# Altium PCB MailboxSensorV2.PcbDoc (part 1 of 2)
Units mil, origin at the board's own origin, x right, y up, seen from the top; angles counter-clockwise.
Board outline 1800 x 1800 mil, 4 copper layers (L1 (SIG-1), L2 (GND-1), L3 (GND-2), L4 (SIG-2)), stack 62.449 mil thick; 65 components, 47 nets, 251 pads, 71 vias.
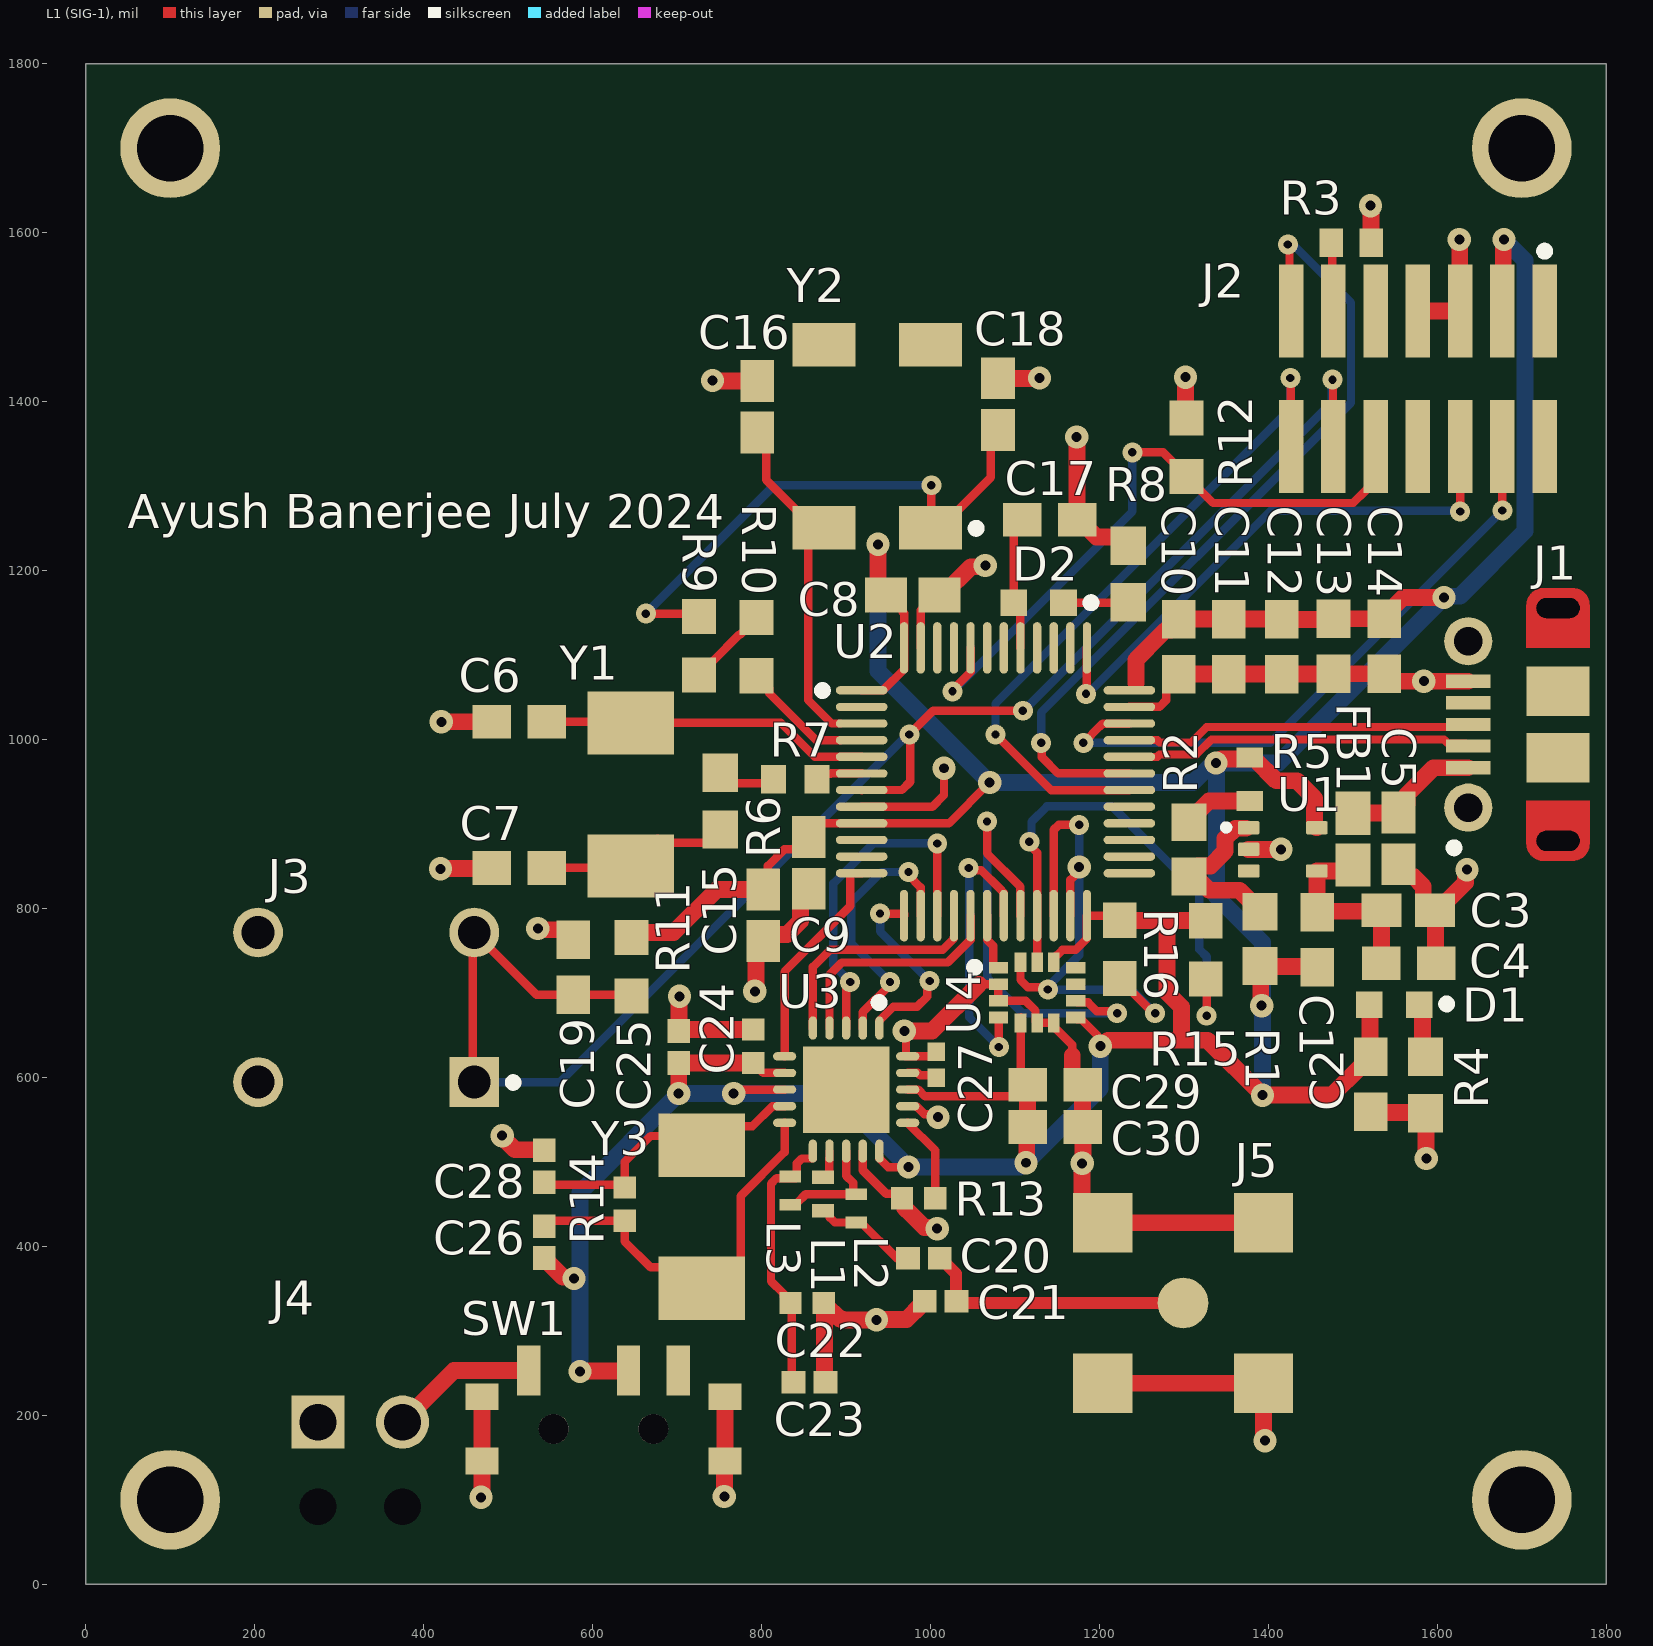
[diagram p0: L1 (SIG-1) view]
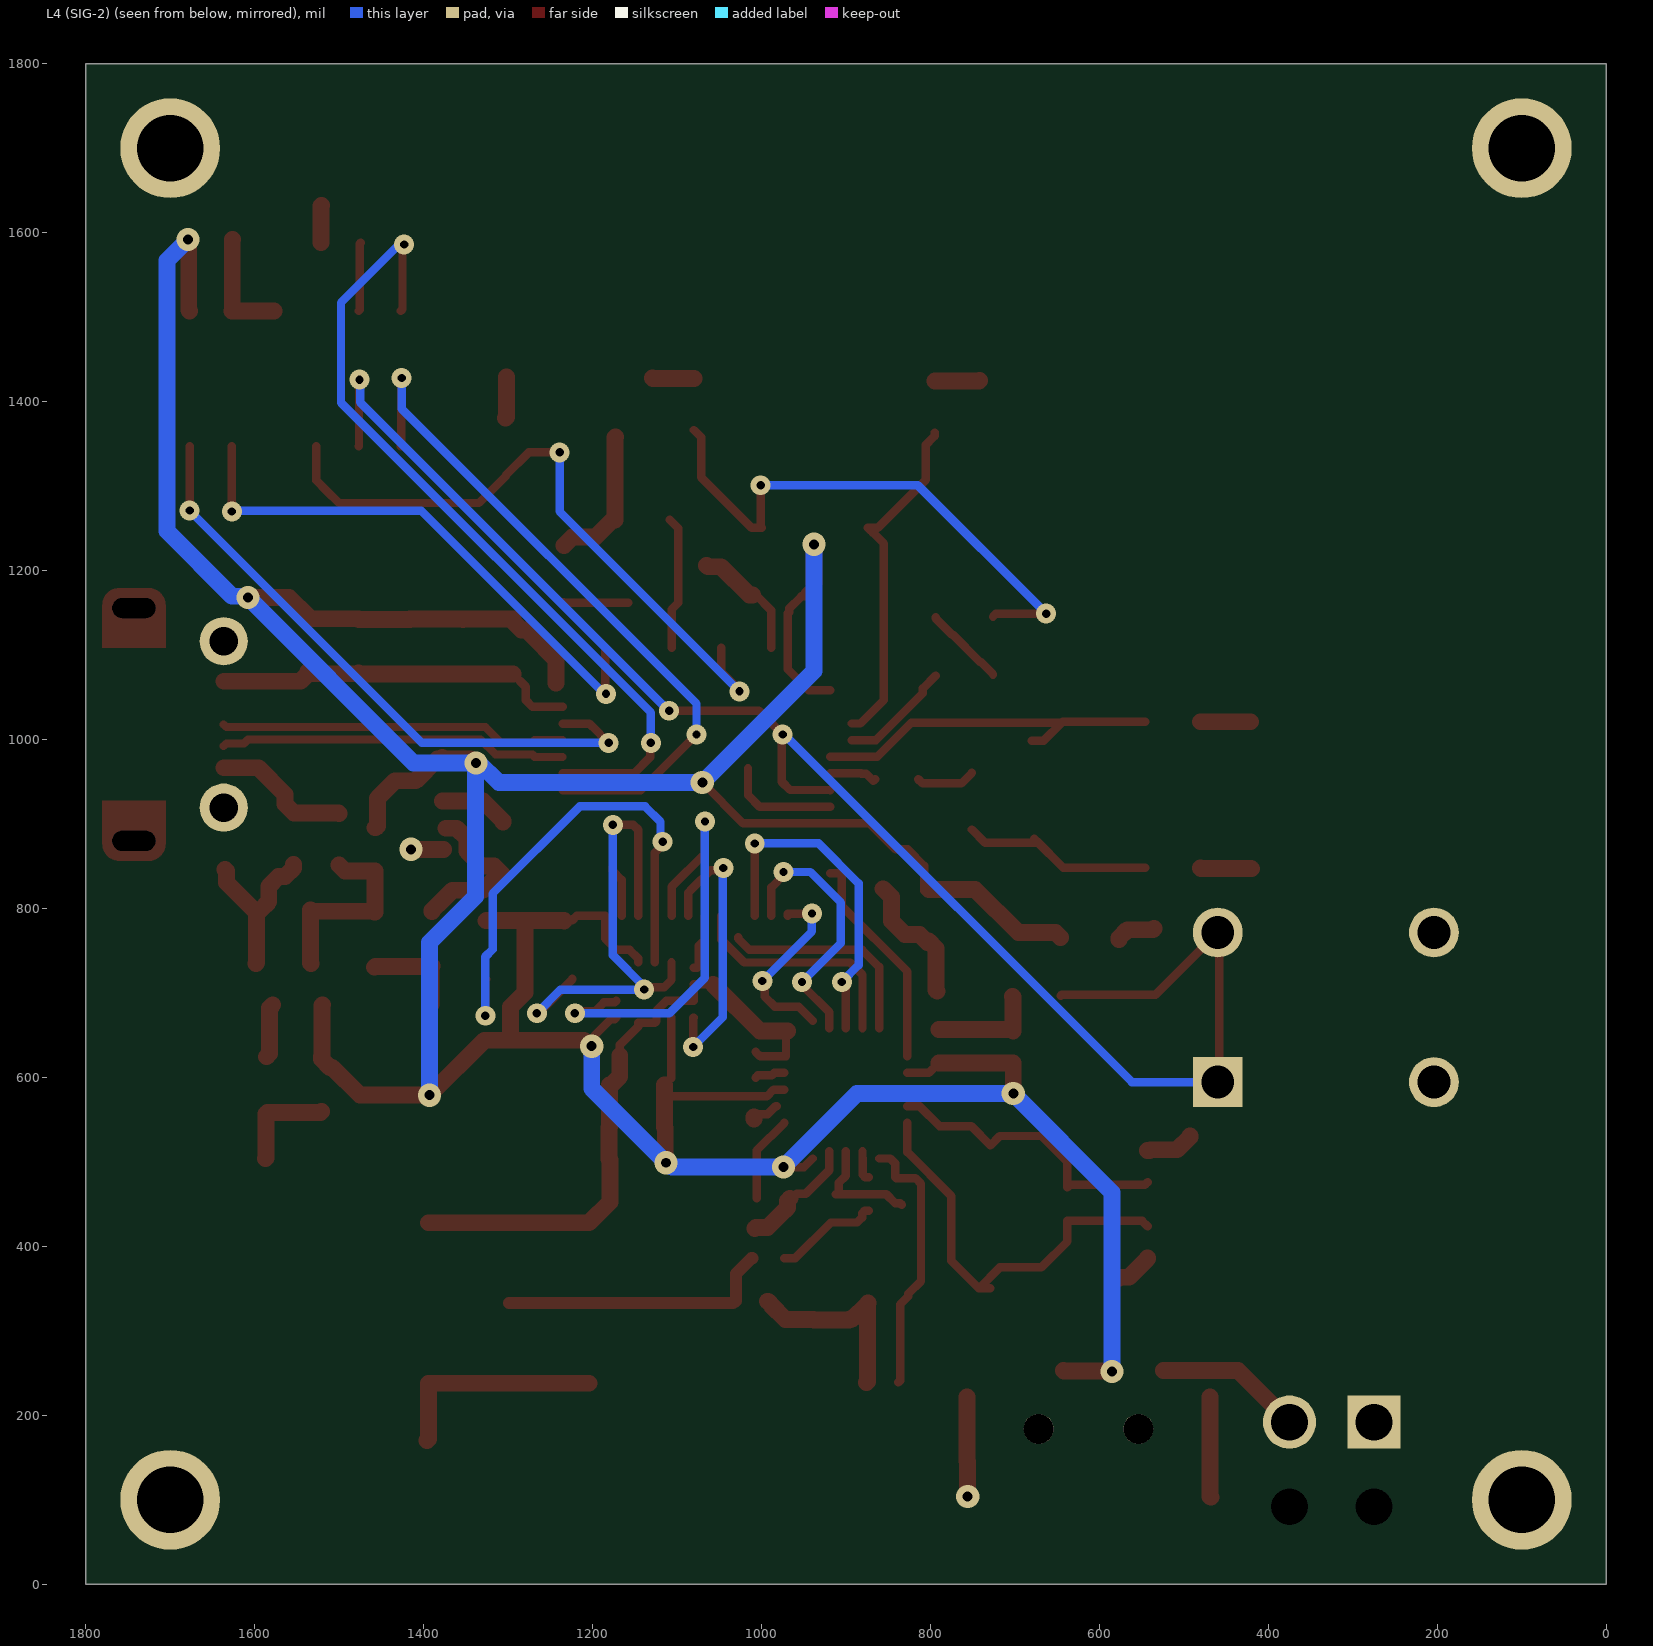
[diagram p1: L4 (SIG-2) view, seen from below]
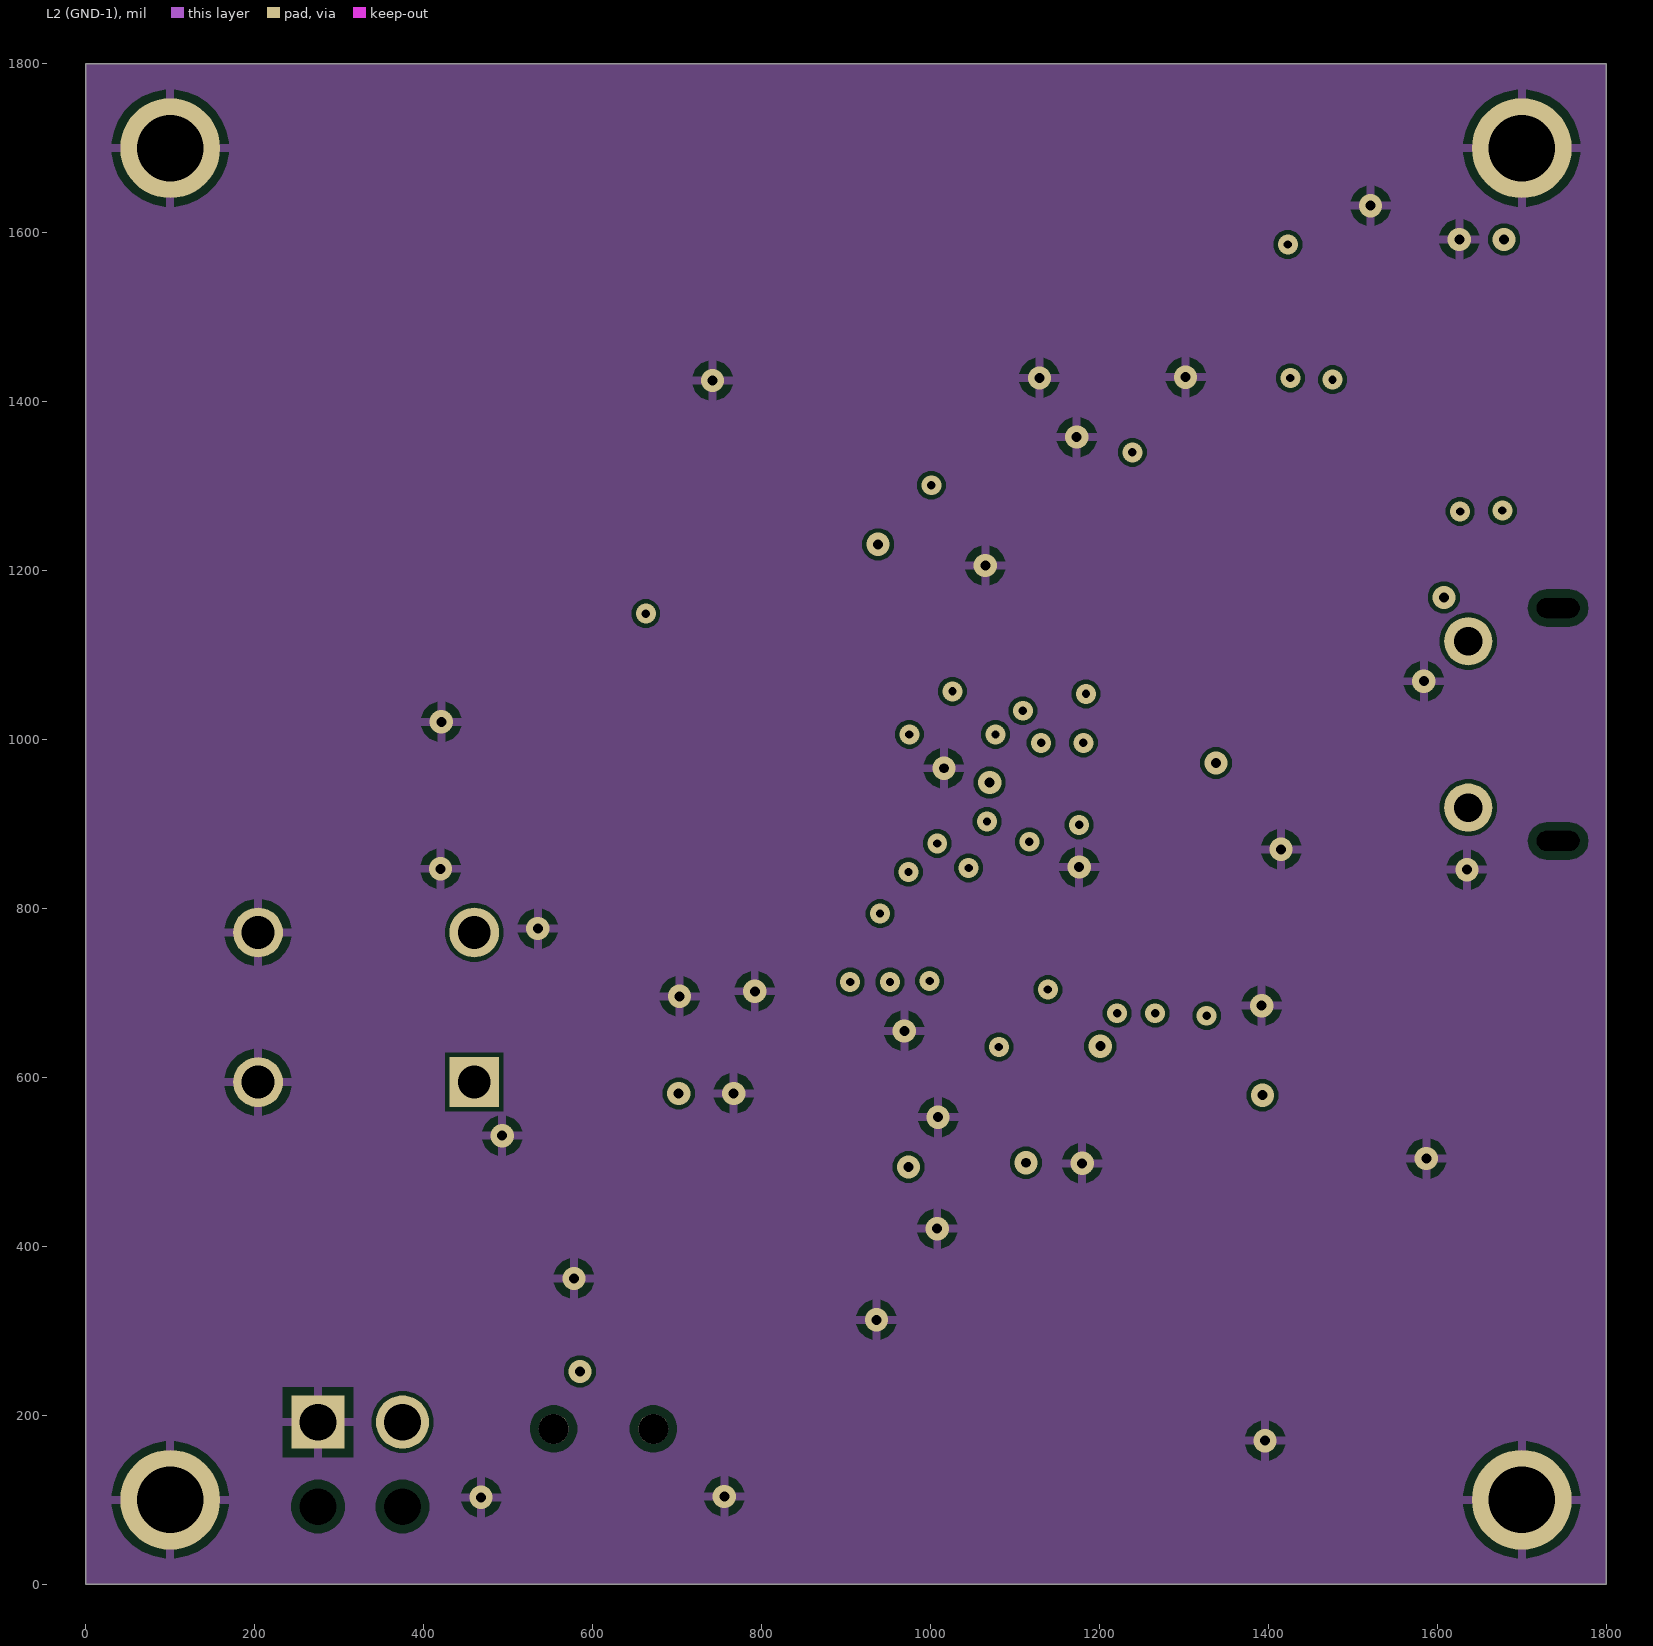
[diagram p2: L2 (GND-1)]
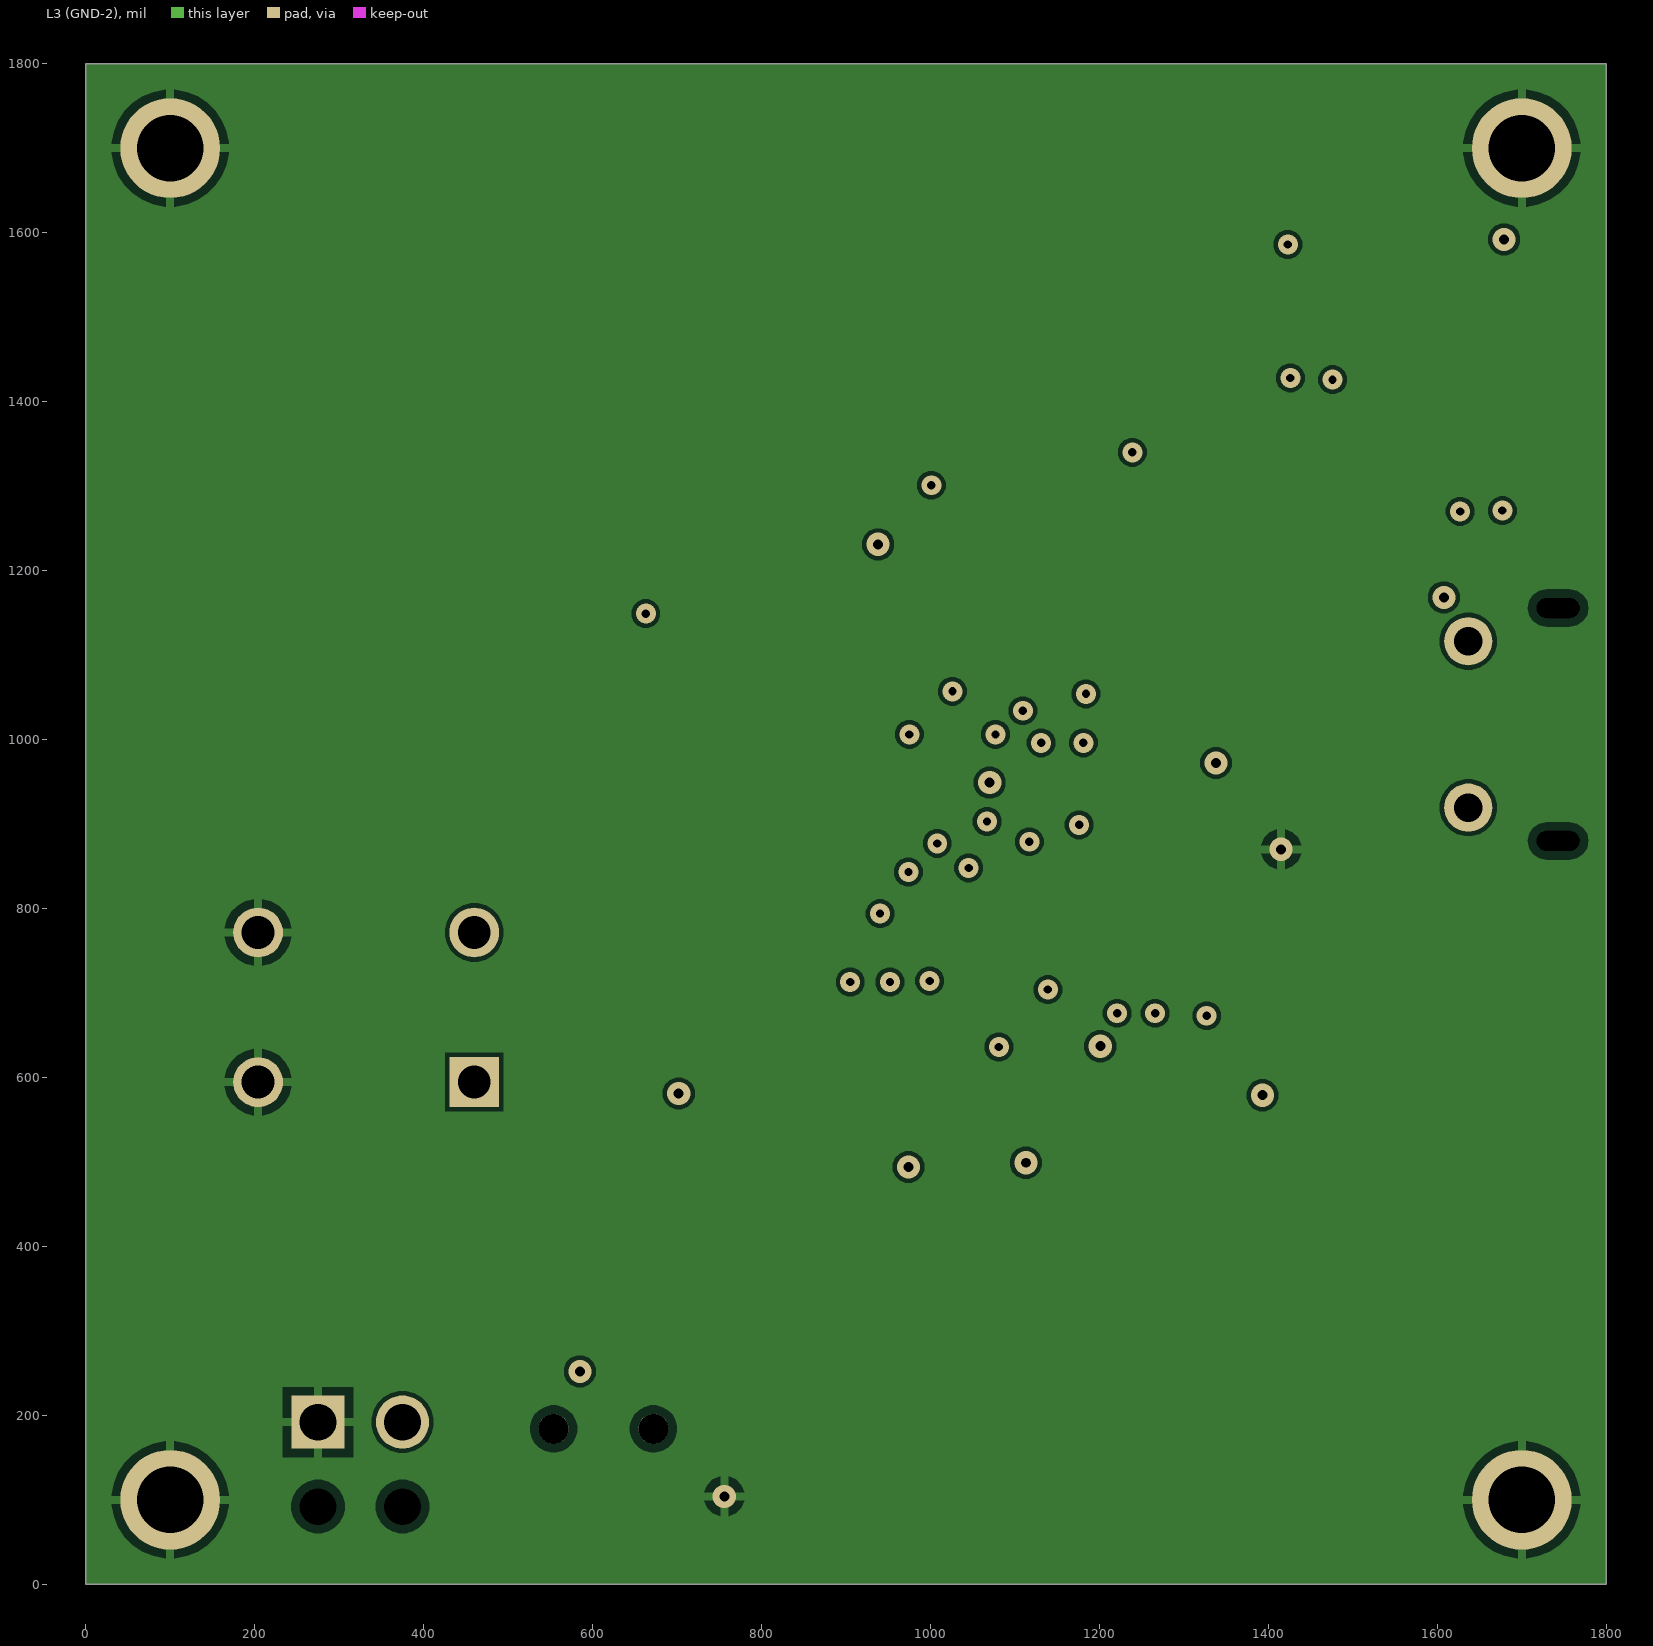
[diagram p3: L3 (GND-2)]
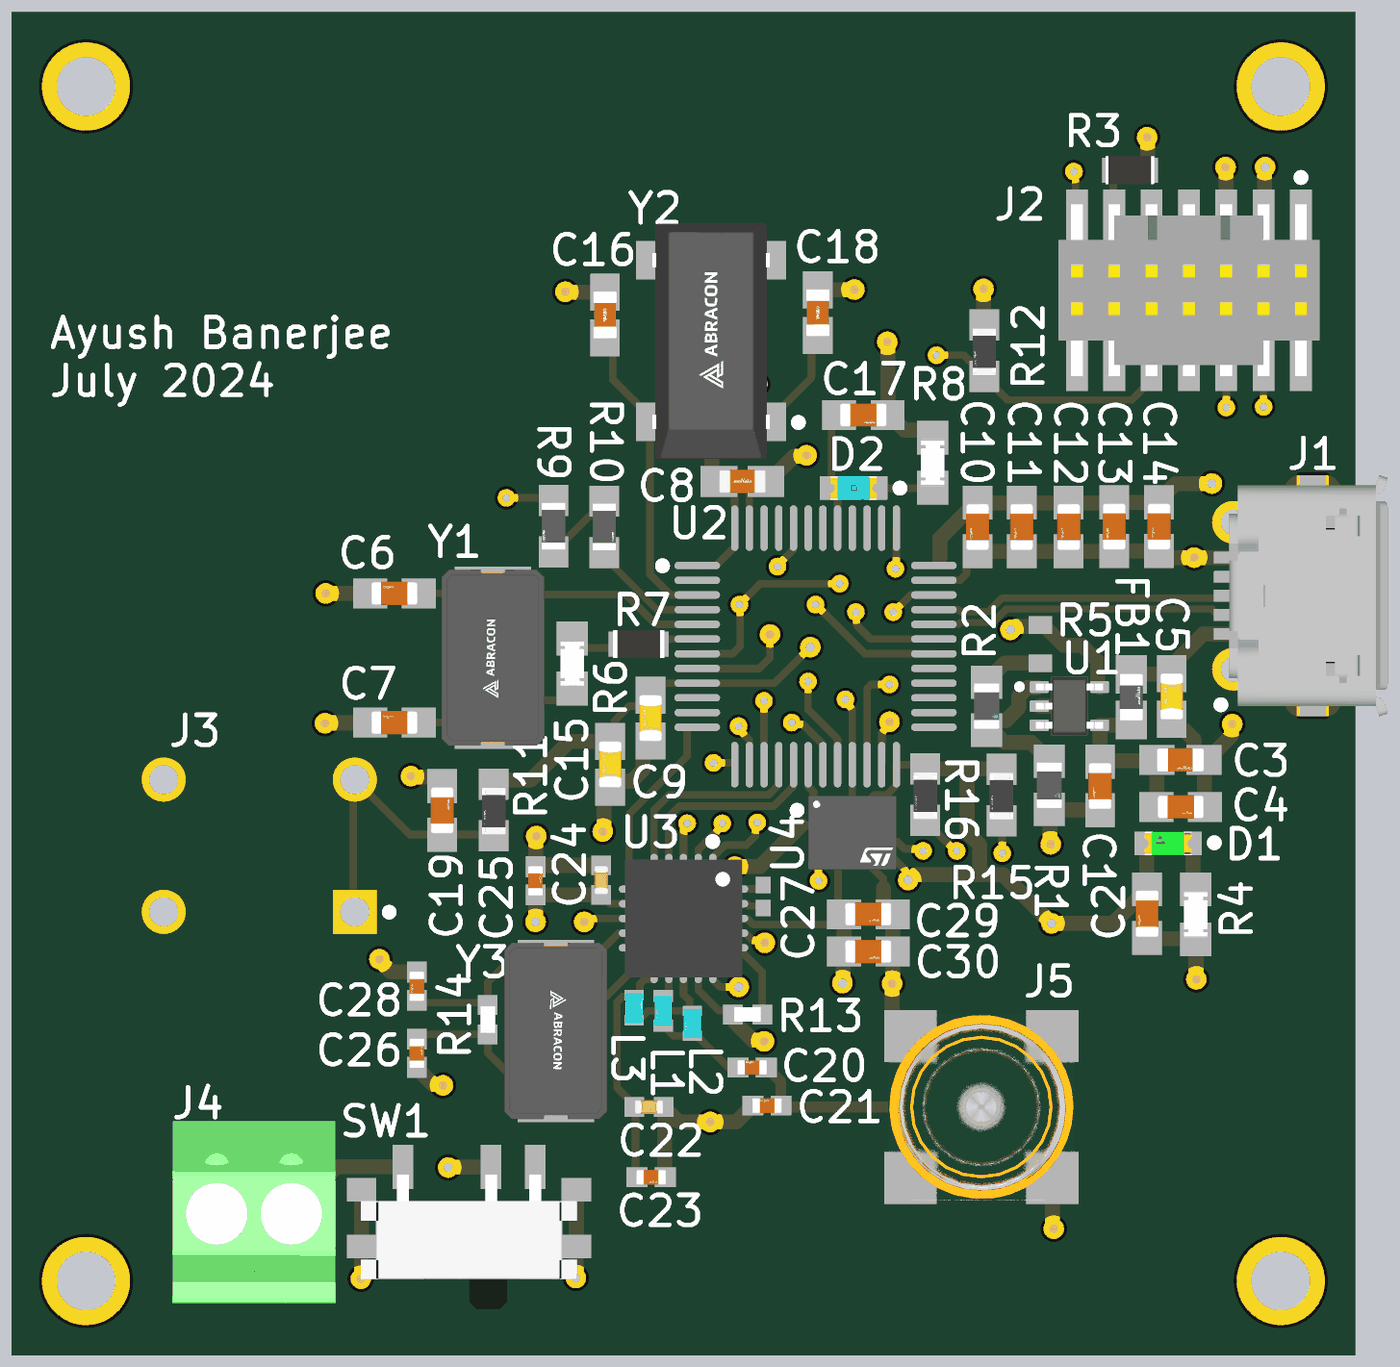
[diagram p5: 3D render of the assembled board from above, using the file's embedded part models]

## Layer stack, top to bottom
Top Solder: solder mask 0.4, Solder Resist, Dk 3.8
L1 (SIG-1): signal copper 1.378
Dielectric 2: prepreg 8.2835, PP-006, Dk 4.4
L2 (GND-1): signal copper 0.5984
Dielectric 1: core 41.9291, FR-4, Dk 4.6
L3 (GND-2): signal copper 0.5984
Dielectric 3: prepreg 8.2835, PP-006, Dk 4.4
L4 (SIG-2): signal copper 1.378
Bottom Solder: solder mask 0.4, Solder Resist, Dk 3.8

## Board outline
0,0 0,1800 1800,1800 1800,0

## Design rules (kind name [scope] priority, off if disabled: settings)
Clearance Clearance_1 [(ExistsOnLayer('L2 (GND-1)') Or ExistsOnLayer('L3 (GND-2)')) vs (ExistsOnLayer('L2 (GND-1)') Or ExistsOnLayer('L3 (GND-2)'))] p1: gap=5 ignorepadtopadclearanceinfootprint=FALSE except(10: Arc-Hole Track-Hole SMDPad-Hole THPad-Hole Via-Hole Fill-Hole Poly-Hole Region-Hole Text-Hole) sourcerule=49 cellrowname=All cellrowtype=0 cellcolname=All cellcoltype=0 innerlayers=TRUE
Clearance Clearance_2 [(ExistsOnLayer('L1 (SIG-1)') Or ExistsOnLayer('L4 (SIG-2)')) vs (ExistsOnLayer('L1 (SIG-1)') Or ExistsOnLayer('L4 (SIG-2)'))] p2: gap=5 ignorepadtopadclearanceinfootprint=FALSE except(10: Arc-Hole Track-Hole SMDPad-Hole THPad-Hole Via-Hole Fill-Hole Poly-Hole Region-Hole Text-Hole) sourcerule=49 cellrowname=All cellrowtype=0 cellcolname=All cellcoltype=0 outerlayers=TRUE
Clearance [All] p3: gap=10 ignorepadtopadclearanceinfootprint=FALSE ismatrix=TRUE
DiffPairsRouting DifferentialPairsRouting_1 [InDifferentialPairClass('All Differential Pairs')] p1: maxlimit=5 minlimit=5 mostfreqgap=5 toplayer_minwidth=9.47 toplayer_maxwidth=9.47 toplayer_prefwidth=9.47 midlayer1_minwidth=9.47 midlayer1_maxwidth=9.47 midlayer1_prefwidth=9.47 midlayer2_minwidth=9.47 midlayer2_maxwidth=9.47 midlayer2_prefwidth=9.47 bottomlayer_minwidth=9.47 bottomlayer_maxwidth=9.47 bottomlayer_prefwidth=9.47 maxuncoupledlength=500
DiffPairsRouting [All] p2: maxlimit=10 minlimit=10 mostfreqgap=10 toplayer_minwidth=15 toplayer_maxwidth=15 toplayer_prefwidth=15 midlayer1_minwidth=15 midlayer1_maxwidth=15 midlayer1_prefwidth=15 midlayer2_minwidth=15 midlayer2_maxwidth=15 midlayer2_prefwidth=15 bottomlayer_minwidth=15 bottomlayer_maxwidth=15 bottomlayer_prefwidth=15 maxuncoupledlength=500
HoleToHoleClearance [All] p1: gap=19.68 allowstackedmicrovias=TRUE
MinimumSolderMaskSliver [All] p1: minsoldermaskwidth=3.94
PolygonConnect [All] p1: connectstyle=Relief reliefconductorwidth=10 reliefentries=4 polygonreliefangle="90 Angle" airgapwidth=10
RoutingVias RoutingViaStyle_1 [InNet('+3V3')] p1: holewidth=11.81 width=27.56 viastyle="Through Hole" minholewidth=11.81 minwidth=27.56 maxholewidth=11.81 maxwidth=27.56
RoutingVias RoutingViaStyle_2 [InNet('+5V')] p2: holewidth=11.81 width=27.56 viastyle="Through Hole" minholewidth=11.81 minwidth=27.56 maxholewidth=11.81 maxwidth=27.56
RoutingVias RoutingViaStyle_3 [InNet('DVDD')] p3: holewidth=11.81 width=27.56 viastyle="Through Hole" minholewidth=11.81 minwidth=27.56 maxholewidth=11.81 maxwidth=27.56
RoutingVias RoutingViaStyle_4 [InNet('GND')] p4: holewidth=11.81 width=27.56 viastyle="Through Hole" minholewidth=11.81 minwidth=27.56 maxholewidth=11.81 maxwidth=27.56
RoutingVias RoutingViaStyle_5 [InNet('VBUS')] p5: holewidth=11.81 width=27.56 viastyle="Through Hole" minholewidth=11.81 minwidth=27.56 maxholewidth=11.81 maxwidth=27.56
RoutingVias RoutingViaStyle_6 [InNet('V_IN')] p6: holewidth=11.81 width=27.56 viastyle="Through Hole" minholewidth=11.81 minwidth=27.56 maxholewidth=11.81 maxwidth=27.56
RoutingVias [All] p7: holewidth=9.84 width=23.62 viastyle="Through Hole" minholewidth=9.84 minwidth=23.62 maxholewidth=9.84 maxwidth=23.62
SilkToSilkClearance [All] p1: silktosilkclearance=5
SilkToSolderMaskClearance [IsPad] p1: minsilkscreentomaskgap=5.91 clearancetoexposedcopper=TRUE
SolderMaskExpansion [All] p1: expansion=4 istentingtop=FALSE
SupplyNets "Schematic Supply Nets_3" [InNet('+3V3')] p1: voltage=0.000
SupplyNets "Schematic Supply Nets_2" [InNet('+5V')] p2: voltage=0.000
SupplyNets "Schematic Supply Nets_1" [InNet('VBUS')] p3: voltage=0.000
SupplyNets "Schematic Supply Nets" [InNet('GND')] p4: voltage=0.000
Width MaxMinWidth_2 [All] p1: maxlimit=20 minlimit=8 preferedwidth=10 minimp=50.000000 maximp=50.000000 favimp=50.000000
Width MaxMinWidth_1 [InNet('50 Ohm RF')] p2: maxlimit=14.49 minlimit=14.49 preferedwidth=14.49 minimp=50.000000 maximp=50.000000 favimp=50.000000
Width [All] p3: maxlimit=10 minlimit=10 preferedwidth=10
25 further rules are at their usual default settings.

## Classes and differential pairs
component class Sensors: C20 C21 C22 C23 C24 C25 C26 C27 C28 C29 C30 J5 L1 L2 L3 R13 R14 R15 R16 U3 U4 Y3
component class MCU: C1 C2 C3 C4 C5 C6 C7 C8 C9 C10 C11 C12 C13 C14 C15 C16 C17 C18 C19 D1 D2 FB1 J1 J2 J3 J4 R1 R2 R3 R4 R5 R6 R7 R8 R9 R10 R11 R12 SW1 U1 U2 Y1 Y2
differential pair D_USB_D: +USB_D_P -USB_D_N
